# Altium PCB RTD_12POS_WPSv2.PcbDoc (part 1 of 2) (continued)
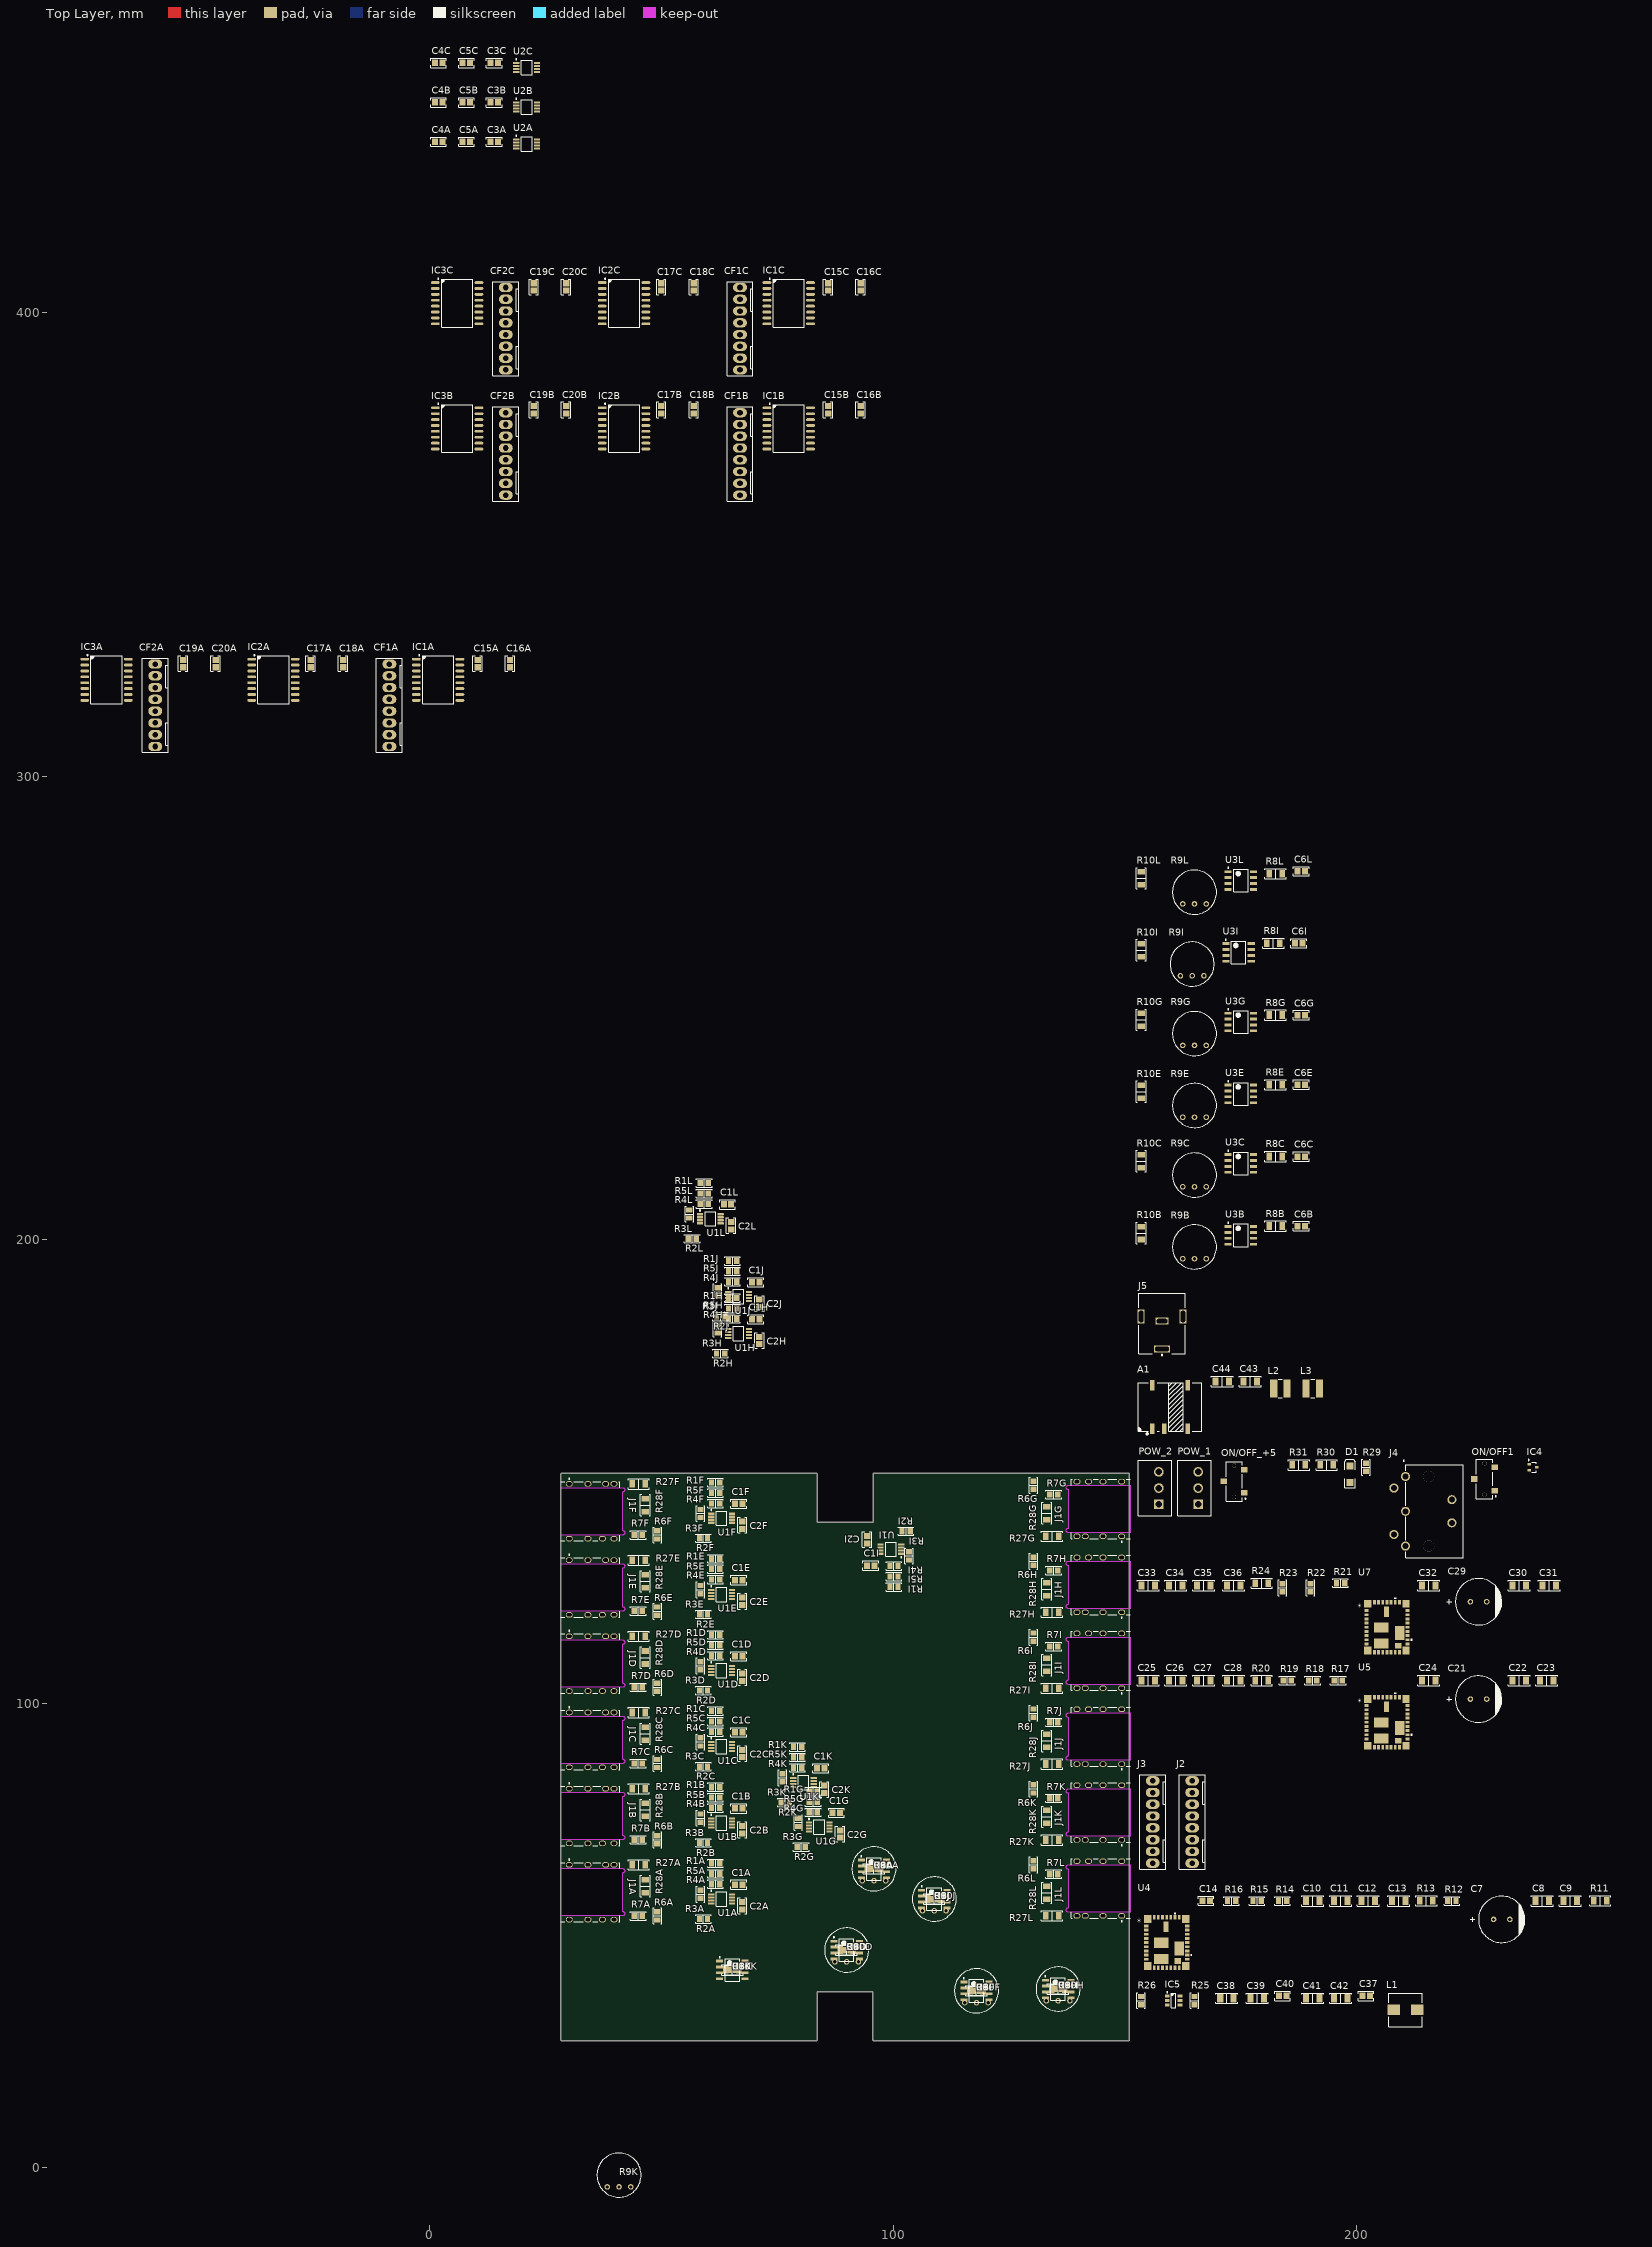
[diagram p0: Top Layer view]
## Classes and differential pairs (continued)
component class U_ComparisonSchG: C6G R8G R9G R10G U3G
component class U_ComparisonSchF: C6F R8F R9F R10F U3F
component class U_ComparisonSchE: C6E R8E R9E R10E U3E
component class U_ComparisonSchD: C6D R8D R9D R10D U3D
component class U_ComparisonSchC: C6C R8C R9C R10C U3C
component class U_ComparisonSchB: C6B R8B R9B R10B U3B
component class U_ComparisonSchA: C6A R8A R9A R10A U3A
component class U_12VSupply: C7 C8 C9 C10 C11 C12 C13 C14 R11 R12 R13 R14 R15 R16 U4
component class U_5VSupply: C37 C38 C39 C40 C41 C42 IC5 L1 R25 R26

## Components (designator, comment, footprint, x,y, rotation, side; value= is the part's Value field where it differs from the comment)
A1 "NXJ1S0505MC-R7" "MURATA NXJ1" 161,164 r0 top
C1A "0.1uF" "CAP 0805/2012" 66.725,61 r0 top (schematic designator C1)
C1B "0.1uF" "CAP 0805/2012" 66.725,77.42 r0 top (schematic designator C1)
C1C "0.1uF" "CAP 0805/2012" 66.725,93.84 r0 top (schematic designator C1)
C1D "0.1uF" "CAP 0805/2012" 66.725,110.26 r0 top (schematic designator C1)
C1E "0.1uF" "CAP 0805/2012" 66.725,126.68 r0 top (schematic designator C1)
C1F "0.1uF" "CAP 0805/2012" 66.725,143.1 r0 top (schematic designator C1)
C1G "0.1uF" "CAP 0805/2012" 87.785,76.485 r0 top (schematic designator C1)
C1H "0.1uF" "CAP 0805/2012" 70.4,182.899 r0 top (schematic designator C1)
C1I "0.1uF" "CAP 0805/2012" 95.2,129.8 r180 top (schematic designator C1)
C1J "0.1uF" "CAP 0805/2012" 70.4,190.899 r0 top (schematic designator C1)
C1K "0.1uF" "CAP 0805/2012" 84.4,86.1 r0 top (schematic designator C1)
C1L "0.1uF" "CAP 0805/2012" 64.3,207.675 r0 top (schematic designator C1)
C2A "0.1uF" "CAP 0805/2012" 67.5,56.425 r270 top (schematic designator C2)
C2B "0.1uF" "CAP 0805/2012" 67.5,72.845 r270 top (schematic designator C2)
C2C "0.1uF" "CAP 0805/2012" 67.5,89.265 r270 top (schematic designator C2)
C2D "0.1uF" "CAP 0805/2012" 67.5,105.685 r270 top (schematic designator C2)
C2E "0.1uF" "CAP 0805/2012" 67.5,122.105 r270 top (schematic designator C2)
C2F "0.1uF" "CAP 0805/2012" 67.5,138.525 r270 top (schematic designator C2)
C2G "0.1uF" "CAP 0805/2012" 88.56,71.91 r270 top (schematic designator C2)
C2H "0.1uF" "CAP 0805/2012" 71.175,178.324 r270 top (schematic designator C2)
C2I "0.1uF" "CAP 0805/2012" 94.4,135.4 r90 top (schematic designator C2)
C2J "0.1uF" "CAP 0805/2012" 71.175,186.324 r270 top (schematic designator C2)
C2K "0.1uF" "CAP 0805/2012" 85.175,81.525 r270 top (schematic designator C2)
C2L "0.1uF" "CAP 0805/2012" 65.075,203.1 r270 top (schematic designator C2)
C3A "1uF" "CAP 0805/2012" 14,436.8 r0 top (schematic designator C3)
C3B "1uF" "CAP 0805/2012" 14,445.3 r0 top (schematic designator C3)
C3C "1uF" "CAP 0805/2012" 14,453.8 r0 top (schematic designator C3)
C4A "1uF" "CAP 0805/2012" 2,436.8 r0 top (schematic designator C4)
C4B "1uF" "CAP 0805/2012" 2,445.3 r0 top (schematic designator C4)
C4C "1uF" "CAP 0805/2012" 2,453.8 r0 top (schematic designator C4)
C5A "1uF" "CAP 0805/2012" 8,436.8 r0 top (schematic designator C5)
C5B "1uF" "CAP 0805/2012" 8,445.3 r0 top (schematic designator C5)
C5C "1uF" "CAP 0805/2012" 8,453.8 r0 top (schematic designator C5)
C6A "0.1uF" "CAP 0805/2012" 95.89,64.39 r0 top (schematic designator C6)
C6B "0.1uF" "CAP 0805/2012" 188,203 r0 top (schematic designator C6)
C6C "0.1uF" "CAP 0805/2012" 188,218 r0 top (schematic designator C6)
C6D "0.1uF" "CAP 0805/2012" 89.99,46.89 r0 top (schematic designator C6)
C6E "0.1uF" "CAP 0805/2012" 188,233.5 r0 top (schematic designator C6)
C6F "0.1uF" "CAP 0805/2012" 117.99,38.09 r0 top (schematic designator C6)
C6G "0.1uF" "CAP 0805/2012" 188,248.5 r0 top (schematic designator C6)
C6H "0.1uF" "CAP 0805/2012" 135.59,38.49 r0 top (schematic designator C6)
C6I "0.1uF" "CAP 0805/2012" 187.5,263.999 r0 top (schematic designator C6)
C6J "0.1uF" "CAP 0805/2012" 108.89,57.89 r0 top (schematic designator C6)
C6K "0.1uF" "CAP 0805/2012" 65.36,42.605 r0 top (schematic designator C6)
C6L "0.1uF" "CAP 0805/2012" 188,279.499 r0 top (schematic designator C6)
C7 "22uF" "CAP AL TH D8 L3.5 H11.5" 229.5,53.5 r0 top
C8 "4.7uF" "CAP 1206/3216 - 1.0MM" 240,57.5 r0 top
C9 "4.7uF" "CAP 1206/3216 - 1.0MM" 246,57.5 r0 top
C10 "22uF" "CAP 1206/3216" 190.5,57.5 r0 top
C11 "22uF" "CAP 1206/3216" 196.5,57.5 r0 top
C12 "22uF" "CAP 1206/3216" 202.5,57.5 r0 top
C13 "22uF" "CAP 1206/3216" 209,57.5 r0 top
C14 "0.022uF" "CAP 0805/2012" 167.5,57.5 r0 top
C15A "0.1uF" "CAP 0805/2012" 10.4,324.3 r90 top (schematic designator C15)
C15B "0.1uF" "CAP 0805/2012" 86,378.999 r90 top (schematic designator C15)
C15C "0.1uF" "CAP 0805/2012" 86,405.499 r90 top (schematic designator C15)
C16A "0.1uF" "CAP 0805/2012" 17.4,324.3 r90 top (schematic designator C16)
C16B "0.1uF" "CAP 0805/2012" 93,378.999 r90 top (schematic designator C16)
C16C "0.1uF" "CAP 0805/2012" 93,405.499 r90 top (schematic designator C16)
C17A "0.1uF" "CAP 0805/2012" -25.6,324.3 r90 top (schematic designator C17)
C17B "0.1uF" "CAP 0805/2012" 50,378.999 r90 top (schematic designator C17)
C17C "0.1uF" "CAP 0805/2012" 50,405.499 r90 top (schematic designator C17)
C18A "0.1uF" "CAP 0805/2012" -18.6,324.3 r90 top (schematic designator C18)
C18B "0.1uF" "CAP 0805/2012" 57,378.999 r90 top (schematic designator C18)
C18C "0.1uF" "CAP 0805/2012" 57,405.499 r90 top (schematic designator C18)
C19A "0.1uF" "CAP 0805/2012" -53.1,324.3 r90 top (schematic designator C19)
C19B "0.1uF" "CAP 0805/2012" 22.5,378.999 r90 top (schematic designator C19)
C19C "0.1uF" "CAP 0805/2012" 22.5,405.499 r90 top (schematic designator C19)
C20A "0.1uF" "CAP 0805/2012" -46.1,324.3 r90 top (schematic designator C20)
C20B "0.1uF" "CAP 0805/2012" 29.5,378.999 r90 top (schematic designator C20)
C20C "0.1uF" "CAP 0805/2012" 29.5,405.499 r90 top (schematic designator C20)
C21 "22uF" "CAP AL TH D8 L3.5 H11.5" 224.5,101 r0 top
C22 "4.7uF" "CAP 1206/3216 - 1.0MM" 235,105 r0 top
C23 "4.7uF" "CAP 1206/3216 - 1.0MM" 241,105 r0 top
C24 "2.2uF" "CAP 1206/3216" 215.5,105 r0 top
C25 "22uF" "CAP 1206/3216" 155,105 r0 top
C26 "22uF" "CAP 1206/3216" 161,105 r0 top
C27 "22uF" "CAP 1206/3216" 167,105 r0 top
C28 "22uF" "CAP 1206/3216" 173.5,105 r0 top
C29 "22uF" "CAP AL TH D8 L3.5 H11.5" 224.5,122 r0 top
C30 "4.7uF" "CAP 1206/3216 - 1.0MM" 235,125.5 r0 top
C31 "4.7uF" "CAP 1206/3216 - 1.0MM" 241.5,125.5 r0 top
C32 "2.2uF" "CAP 1206/3216" 215.5,125.5 r0 top
C33 "22uF" "CAP 1206/3216" 155,125.5 r0 top
C34 "22uF" "CAP 1206/3216" 161,125.5 r0 top
C35 "22uF" "CAP 1206/3216" 167,125.5 r0 top
C36 "22uF" "CAP 1206/3216" 173.5,125.5 r0 top
C37 "0.1uF" "CAP 0805/2012" 202,37 r0 top
C38 "10uF" "CAP 1206/3216" 172,36.5 r0 top
C39 "10uF" "CAP 1206/3216" 178.5,36.5 r0 top
C40 "0.1uF" "CAP 0805/2012" 184,37 r0 top
C41 "22uF" "CAP 1206/3216" 190.5,36.5 r0 top
C42 "22uF" "CAP 1206/3216" 196.5,36.5 r0 top
C43 "2.2uF" "CAP 1206/3216" 177,169.5 r0 top
C44 "4.7uF" "CAP 1206/3216 - 1.8MM" 171,169.5 r0 top
CF1A "22272081" "MOLEX KK 0022272081" -8.6,315.3 r90 top (schematic designator CF1)
CF1B "22272081" "MOLEX KK 0022272081" 67,369.499 r90 top (schematic designator CF1)
CF1C "22272081" "MOLEX KK 0022272081" 67,396.499 r90 top (schematic designator CF1)
CF2A "22272081" "MOLEX KK 0022272081" -59.1,315.3 r90 top (schematic designator CF2)
CF2B "22272081" "MOLEX KK 0022272081" 16.5,369.499 r90 top (schematic designator CF2)
CF2C "22272081" "MOLEX KK 0022272081" 16.5,396.499 r90 top (schematic designator CF2)
D1 "LED2" 3.2X1.6X1.1 198.5,149.5 r90 top
IC1A "SI8640BD-B-IS" "SI LABS SOIC-16 WIDE" 1.9,320.8 r0 top (schematic designator IC1)
IC1B "SI8640BD-B-IS" "SI LABS SOIC-16 WIDE" 77.5,374.999 r0 top (schematic designator IC1)
IC1C "SI8640BD-B-IS" "SI LABS SOIC-16 WIDE" 77.5,401.999 r0 top (schematic designator IC1)
IC2A "SI8640BD-B-IS" "SI LABS SOIC-16 WIDE" -33.6,320.8 r0 top (schematic designator IC2)
IC2B "SI8640BD-B-IS" "SI LABS SOIC-16 WIDE" 42,374.999 r0 top (schematic designator IC2)
IC2C "SI8640BD-B-IS" "SI LABS SOIC-16 WIDE" 42,401.999 r0 top (schematic designator IC2)
IC3A "SI8640BD-B-IS" "SI LABS SOIC-16 WIDE" -69.6,320.8 r0 top (schematic designator IC3)
IC3B "SI8640BD-B-IS" "SI LABS SOIC-16 WIDE" 6,374.999 r0 top (schematic designator IC3)
IC3C "SI8640BD-B-IS" "SI LABS SOIC-16 WIDE" 6,401.999 r0 top (schematic designator IC3)
IC4 "BSS138WH6327XTSA1" "INFINEON SOT-323-3" 238,151 r0 top
IC5 "TPS563201DDCT" "TI SOT-23-6 DDC" 160.5,36 r0 top
J1A "SJ-3506-SMT-TR" CUI-SJ-3506-SMT-TR_V 35,59.36 r0 top (schematic designator J1)
J1B "SJ-3506-SMT-TR" CUI-SJ-3506-SMT-TR_V 35,75.788 r0 top (schematic designator J1)
J1C "SJ-3506-SMT-TR" CUI-SJ-3506-SMT-TR_V 35,92.216 r0 top (schematic designator J1)
J1D "SJ-3506-SMT-TR" CUI-SJ-3506-SMT-TR_V 35,108.644 r0 top (schematic designator J1)
J1E "SJ-3506-SMT-TR" CUI-SJ-3506-SMT-TR_V 35,125.072 r0 top (schematic designator J1)
J1F "SJ-3506-SMT-TR" CUI-SJ-3506-SMT-TR_V 35,141.5 r0 top (schematic designator J1)
J1G "SJ-3506-SMT-TR" CUI-SJ-3506-SMT-TR_V 144.475,142 r180 top
J1H "SJ-3506-SMT-TR" CUI-SJ-3506-SMT-TR_V 144.475,125.632 r180 top (schematic designator J1)
J1I "SJ-3506-SMT-TR" CUI-SJ-3506-SMT-TR_V 144.475,109.264 r180 top
J1J "SJ-3506-SMT-TR" CUI-SJ-3506-SMT-TR_V 144.475,92.896 r180 top (schematic designator J1)
J1K "SJ-3506-SMT-TR" CUI-SJ-3506-SMT-TR_V 144.475,76.528 r180 top
J1L "SJ-3506-SMT-TR" CUI-SJ-3506-SMT-TR_V 144.475,60.16 r180 top (schematic designator J1)
J2 "22272081" "MOLEX KK 0022272081" 164.5,74.5 r90 top
J3 "22272081" "MOLEX KK 0022272081" 156,74.5 r90 top
J4 "SDS-50J" "CUI SDS-50J" 210.5,141.5 r90 top
J5 "PJ-063AH" CUI-PJ-063AH_V 158,182.5 r90 top
L1 "3.3uH" "WURTH WE-HCI 7050" 210.5,34 r0 top
L2 "VLCF4024T-4R7N1R4-2" "TDK VLCF4024-2" 183.5,168 r0 top value=4.7uH
L3 "VLCF4024T-100MR90-2" "TDK VLCF4024-2" 190.5,168 r0 top value=10uH
ON/OFF1 "CL-SB-12B-01T" SW_CL-SB-12B-01 228,148.5 r90 top
ON/OFF_+5 "CL-SB-12B-01T" SW_CL-SB-12B-01 174,148 r90 top
POW_1 "691321100003" 691321100003 165,146.5 r90 top
POW_2 "691321100003" 691321100003 156.5,146.5 r90 top
R1A "4.99k" "RES 0805/2012" 61.725,65.6 r180 top (schematic designator R1)
R1B "4.99k" "RES 0805/2012" 61.725,82.02 r180 top (schematic designator R1)
R1C "4.99k" "RES 0805/2012" 61.725,98.44 r180 top (schematic designator R1)
R1D "4.99k" "RES 0805/2012" 61.725,114.86 r180 top (schematic designator R1)
R1E "4.99k" "RES 0805/2012" 61.725,131.28 r180 top (schematic designator R1)
R1F "4.99k" "RES 0805/2012" 61.725,147.7 r180 top (schematic designator R1)
R1G "4.99k" "RES 0805/2012" 82.785,81.085 r180 top (schematic designator R1)
R1H "4.99k" "RES 0805/2012" 65.4,187.499 r180 top (schematic designator R1)
R1I "4.99k" "RES 0805/2012" 100.2,125.2 r0 top (schematic designator R1)
R1J "4.99k" "RES 0805/2012" 65.4,195.499 r180 top (schematic designator R1)
R1K "4.99k" "RES 0805/2012" 79.4,90.7 r180 top (schematic designator R1)
R1L "4.99k" "RES 0805/2012" 59.3,212.275 r180 top (schematic designator R1)
R2A "4.99k" "RES 0805/2012" 59.125,53.6 r0 top (schematic designator R2)
R2B "4.99k" "RES 0805/2012" 59.125,70.02 r0 top (schematic designator R2)
R2C "4.99k" "RES 0805/2012" 59.125,86.44 r0 top (schematic designator R2)
R2D "4.99k" "RES 0805/2012" 59.125,102.86 r0 top (schematic designator R2)
R2E "4.99k" "RES 0805/2012" 59.125,119.28 r0 top (schematic designator R2)
R2F "4.99k" "RES 0805/2012" 59.125,135.7 r0 top (schematic designator R2)
R2G "4.99k" "RES 0805/2012" 80.185,69.085 r0 top (schematic designator R2)
R2H "4.99k" "RES 0805/2012" 62.8,175.499 r0 top (schematic designator R2)
R2I "4.99k" "RES 0805/2012" 102.8,137.2 r180 top (schematic designator R2)
R2J "4.99k" "RES 0805/2012" 62.8,183.499 r0 top (schematic designator R2)
R2K "4.99k" "RES 0805/2012" 76.8,78.7 r0 top (schematic designator R2)
R2L "4.99k" "RES 0805/2012" 56.7,200.275 r0 top (schematic designator R2)
R3A "118" "RES 0805/2012" 58.5,58.925 r90 top (schematic designator R3)
R3B "118" "RES 0805/2012" 58.5,75.345 r90 top (schematic designator R3)
R3C "118" "RES 0805/2012" 58.5,91.765 r90 top (schematic designator R3)
R3D "118" "RES 0805/2012" 58.5,108.185 r90 top (schematic designator R3)
R3E "118" "RES 0805/2012" 58.5,124.605 r90 top (schematic designator R3)
R3F "118" "RES 0805/2012" 58.5,141.025 r90 top (schematic designator R3)
R3G "118" "RES 0805/2012" 79.56,74.41 r90 top (schematic designator R3)
R3H "118" "RES 0805/2012" 62.175,180.824 r90 top (schematic designator R3)
R3I "118" "RES 0805/2012" 103.425,131.875 r270 top (schematic designator R3)
R3J "118" "RES 0805/2012" 62.175,188.824 r90 top (schematic designator R3)
R3K "118" "RES 0805/2012" 76.175,84.025 r90 top (schematic designator R3)
R3L "118" "RES 0805/2012" 56.075,205.6 r90 top (schematic designator R3)
R4A "107" "RES 0805/2012" 61.725,61.1 r0 top (schematic designator R4)
R4B "107" "RES 0805/2012" 61.725,77.52 r0 top (schematic designator R4)
R4C "107" "RES 0805/2012" 61.725,93.94 r0 top (schematic designator R4)
R4D "107" "RES 0805/2012" 61.725,110.36 r0 top (schematic designator R4)
R4E "107" "RES 0805/2012" 61.725,126.78 r0 top (schematic designator R4)
R4F "107" "RES 0805/2012" 61.725,143.2 r0 top (schematic designator R4)
R4G "107" "RES 0805/2012" 82.785,76.585 r0 top (schematic designator R4)
R4H "107" "RES 0805/2012" 65.4,182.999 r0 top (schematic designator R4)
R4I "107" "RES 0805/2012" 100.2,129.7 r180 top (schematic designator R4)
R4J "107" "RES 0805/2012" 65.4,190.999 r0 top (schematic designator R4)
R4K "107" "RES 0805/2012" 79.4,86.2 r0 top (schematic designator R4)
R4L "107" "RES 0805/2012" 59.3,207.775 r0 top (schematic designator R4)
R5A "10.2k" "RES 0805/2012" 61.725,63.35 r0 top (schematic designator R5)
R5B "10.2k" "RES 0805/2012" 61.725,79.77 r0 top (schematic designator R5)
R5C "10.2k" "RES 0805/2012" 61.725,96.19 r0 top (schematic designator R5)
R5D "10.2k" "RES 0805/2012" 61.725,112.61 r0 top (schematic designator R5)
R5E "10.2k" "RES 0805/2012" 61.725,129.03 r0 top (schematic designator R5)
R5F "10.2k" "RES 0805/2012" 61.725,145.45 r0 top (schematic designator R5)
R5G "10.2k" "RES 0805/2012" 82.785,78.835 r0 top (schematic designator R5)
R5H "10.2k" "RES 0805/2012" 65.4,185.249 r0 top (schematic designator R5)
R5I "10.2k" "RES 0805/2012" 100.2,127.45 r180 top (schematic designator R5)
R5J "10.2k" "RES 0805/2012" 65.4,193.249 r0 top (schematic designator R5)
R5K "10.2k" "RES 0805/2012" 79.4,88.45 r0 top (schematic designator R5)
R5L "10.2k" "RES 0805/2012" 59.3,210.025 r0 top (schematic designator R5)
R6A "15.8k" "RES 0805/2012" 49.175,54.26 r90 top (schematic designator R6)
R6B "15.8k" "RES 0805/2012" 49.175,70.688 r90 top (schematic designator R6)
R6C "15.8k" "RES 0805/2012" 49.175,87.116 r90 top (schematic designator R6)
R6D "15.8k" "RES 0805/2012" 49.175,103.544 r90 top (schematic designator R6)
R6E "15.8k" "RES 0805/2012" 49.175,119.972 r90 top (schematic designator R6)
R6F "15.8k" "RES 0805/2012" 49.175,136.4 r90 top (schematic designator R6)
R6G "15.8k" "RES 0805/2012" 130.3,147.1 r270 top
R6H "15.8k" "RES 0805/2012" 130.3,130.732 r270 top (schematic designator R6)
R6I "15.8k" "RES 0805/2012" 130.3,114.364 r270 top
R6J "15.8k" "RES 0805/2012" 130.3,97.996 r270 top (schematic designator R6)
R6K "15.8k" "RES 0805/2012" 130.3,81.628 r270 top
R6L "15.8k" "RES 0805/2012" 130.3,65.26 r270 top (schematic designator R6)
R7A "15.8k" "RES 0805/2012" 45.05,54.26 r180 top (schematic designator R7)
R7B "15.8k" "RES 0805/2012" 45.05,70.688 r180 top (schematic designator R7)
R7C "15.8k" "RES 0805/2012" 45.05,87.116 r180 top (schematic designator R7)
R7D "15.8k" "RES 0805/2012" 45.05,103.544 r180 top (schematic designator R7)
R7E "15.8k" "RES 0805/2012" 45.05,119.972 r180 top (schematic designator R7)
R7F "15.8k" "RES 0805/2012" 45.05,136.4 r180 top (schematic designator R7)
R7G "15.8k" "RES 0805/2012" 134.65,145.1 r0 top
R7H "15.8k" "RES 0805/2012" 134.65,128.732 r0 top (schematic designator R7)
R7I "15.8k" "RES 0805/2012" 134.65,112.364 r0 top
R7J "15.8k" "RES 0805/2012" 134.65,95.996 r0 top (schematic designator R7)
R7K "15.8k" "RES 0805/2012" 134.65,79.628 r0 top
R7L "15.8k" "RES 0805/2012" 134.65,63.26 r0 top (schematic designator R7)
R8A "1k" "RES 1206/3216" 95.89,64.39 r0 top (schematic designator R8)
R8B "1k" "RES 1206/3216" 182.5,203 r0 top (schematic designator R8)
R8C "1k" "RES 1206/3216" 182.5,218 r0 top (schematic designator R8)
R8D "1k" "RES 1206/3216" 89.99,46.89 r0 top (schematic designator R8)
R8E "1k" "RES 1206/3216" 182.5,233.5 r0 top (schematic designator R8)
R8F "1k" "RES 1206/3216" 117.99,38.09 r0 top (schematic designator R8)
R8G "1k" "RES 1206/3216" 182.5,248.5 r0 top (schematic designator R8)
R8H "1k" "RES 1206/3216" 135.59,38.49 r0 top (schematic designator R8)
R8I "1k" "RES 1206/3216" 182,263.999 r0 top (schematic designator R8)
R8J "1k" "RES 1206/3216" 108.89,57.89 r0 top (schematic designator R8)
R8K "1k" "RES 1206/3216" 65.36,42.605 r0 top (schematic designator R8)
R8L "1k" "RES 1206/3216" 182.5,278.999 r0 top (schematic designator R8)
R9A "20k" "POT MODEL91A" 95.89,64.39 r0 top (schematic designator R9)
R9B "20k" "POT MODEL91A" 165,198.5 r0 top (schematic designator R9)
R9C "20k" "POT MODEL91A" 165,214 r0 top (schematic designator R9)
R9D "20k" "POT MODEL91A" 89.99,46.89 r0 top (schematic designator R9)
R9E "20k" "POT MODEL91A" 165,229 r0 top (schematic designator R9)
R9F "20k" "POT MODEL91A" 117.99,38.09 r0 top (schematic designator R9)
R9G "20k" "POT MODEL91A" 165,244.5 r0 top (schematic designator R9)
R9H "20k" "POT MODEL91A" 135.59,38.49 r0 top (schematic designator R9)
R9I "20k" "POT MODEL91A" 164.5,259.499 r0 top (schematic designator R9)
R9J "20k" "POT MODEL91A" 108.89,57.89 r0 top (schematic designator R9)
R9K "20k" "POT MODEL91A" 40.91,-1.642 r0 top (schematic designator R9)
R9L "20k" "POT MODEL91A" 165,274.999 r0 top (schematic designator R9)
R10A "510k" "RES 1206/3216" 95.89,64.39 r0 top (schematic designator R10)
R10B "510k" "RES 1206/3216" 153.5,201.5 r90 top (schematic designator R10)
R10C "510k" "RES 1206/3216" 153.5,217 r90 top (schematic designator R10)
R10D "510k" "RES 1206/3216" 89.99,46.89 r0 top (schematic designator R10)
R10E "510k" "RES 1206/3216" 153.5,232 r90 top (schematic designator R10)
R10F "510k" "RES 1206/3216" 117.99,38.09 r0 top (schematic designator R10)
R10G "510k" "RES 1206/3216" 153.5,247.5 r90 top (schematic designator R10)
R10H "510k" "RES 1206/3216" 135.59,38.49 r0 top (schematic designator R10)
R10I "510k" "RES 1206/3216" 153.5,262.499 r90 top (schematic designator R10)
R10J "510k" "RES 1206/3216" 108.89,57.89 r0 top (schematic designator R10)
R10K "510k" "RES 1206/3216" 65.36,42.605 r0 top (schematic designator R10)
R10L "510k" "RES 1206/3216" 153.5,277.999 r90 top (schematic designator R10)
R11 "0.0" "RES 1206/3216" 252.499,57.5 r0 top
R12 "174k" "RES 0805/2012" 220.5,57.5 r0 top
R13 "267k" "RES 1206/3216" 215,57.5 r0 top
R14 "15.8k" "RES 0805/2012" 184,57.5 r0 top
R15 "15.8k" "RES 0805/2012" 178.5,57.5 r0 top
R16 "140k" "RES 0805/2012" 173,57.5 r0 top
R17 "174k" "RES 0805/2012" 196,105 r0 top
R18 "24.3k" "RES 0805/2012" 190.5,105 r0 top
R19 "52.3k" "RES 0805/2012" 185,105 r0 top
R20 "0.0" "RES 1206/3216" 179.5,105 r0 top
R21 "174k" "RES 0805/2012" 196.5,126 r0 top
R22 "24.3k" "RES 0805/2012" 190,125 r90 top
R23 "140k" "RES 0805/2012" 184,125 r90 top
R24 "0.0" "RES 1206/3216" 179.5,126 r0 top
R25 "54.9k" "RES 0805/2012" 165,36 r90 top
R26 "10k" "RES 0805/2012" 153.5,36 r90 top
R27A "0.0" "RES 1206/3216" 45.175,65.26 r180 top (schematic designator R27)
R27B "0.0" "RES 1206/3216" 45.175,81.688 r180 top (schematic designator R27)
R27C "0.0" "RES 1206/3216" 45.175,98.116 r180 top (schematic designator R27)
R27D "0.0" "RES 1206/3216" 45.175,114.544 r180 top (schematic designator R27)
R27E "0.0" "RES 1206/3216" 45.175,130.972 r180 top (schematic designator R27)
R27F "0.0" "RES 1206/3216" 45.175,147.4 r180 top (schematic designator R27)
R27G "0.0" "RES 1206/3216" 134.3,136.1 r0 top
R27H "0.0" "RES 1206/3216" 134.3,119.732 r0 top (schematic designator R27)
R27I "0.0" "RES 1206/3216" 134.3,103.364 r0 top
R27J "0.0" "RES 1206/3216" 134.3,86.996 r0 top (schematic designator R27)
R27K "0.0" "RES 1206/3216" 134.3,70.628 r0 top
R27L "0.0" "RES 1206/3216" 134.3,54.26 r0 top (schematic designator R27)
R28A "0.0" "RES 1206/3216" 46.575,60.685 r90 top (schematic designator R28)
R28B "0.0" "RES 1206/3216" 46.575,77.113 r90 top (schematic designator R28)
R28C "0.0" "RES 1206/3216" 46.575,93.541 r90 top (schematic designator R28)
R28D "0.0" "RES 1206/3216" 46.575,109.969 r90 top (schematic designator R28)
R28E "0.0" "RES 1206/3216" 46.575,126.397 r90 top (schematic designator R28)
R28F "0.0" "RES 1206/3216" 46.575,142.825 r90 top (schematic designator R28)
R28G "0.0" "RES 1206/3216" 133.15,141.1 r270 top
R28H "0.0" "RES 1206/3216" 133.15,124.732 r270 top (schematic designator R28)
R28I "0.0" "RES 1206/3216" 133.15,108.364 r270 top
R28J "0.0" "RES 1206/3216" 133.15,91.996 r270 top (schematic designator R28)
R28K "0.0" "RES 1206/3216" 133.15,75.628 r270 top
R28L "0.0" "RES 1206/3216" 133.15,59.26 r270 top (schematic designator R28)
R29 "10k" "RES 0805/2012" 202,151 r90 top
R30 "1k" "RES 1206/3216" 193.5,151.5 r0 top
R31 "0.0" "RES 1206/3216" 187.5,151.5 r0 top
U1A "INA826AIDGKR" DGK0008A_N 63.025,57.9 r0 top (schematic designator U1)
U1B "INA826AIDGKR" DGK0008A_N 63.025,74.32 r0 top (schematic designator U1)
U1C "INA826AIDGKR" DGK0008A_N 63.025,90.74 r0 top (schematic designator U1)
U1D "INA826AIDGKR" DGK0008A_N 63.025,107.16 r0 top (schematic designator U1)
U1E "INA826AIDGKR" DGK0008A_N 63.025,123.58 r0 top (schematic designator U1)
U1F "INA826AIDGKR" DGK0008A_N 63.025,140 r0 top (schematic designator U1)
U1G "INA826AIDGKR" DGK0008A_N 84.085,73.385 r0 top (schematic designator U1)
U1H "INA826AIDGKR" DGK0008A_N 66.7,179.799 r0 top (schematic designator U1)
U1I "INA826AIDGKR" DGK0008A_N 99.525,133.325 r180 top (schematic designator U1)
U1J "INA826AIDGKR" DGK0008A_N 66.7,187.799 r0 top (schematic designator U1)
U1K "INA826AIDGKR" DGK0008A_N 80.7,83 r0 top (schematic designator U1)
U1L "INA826AIDGKR" DGK0008A_N 60.6,204.575 r0 top (schematic designator U1)
U2A "REF5050IDGKT" DGK0008A_N 21,436.3 r0 top (schematic designator U2)
U2B "REF5050IDGKT" DGK0008A_N 21,444.3 r0 top (schematic designator U2)
U2C "REF5050IDGKT" DGK0008A_N 21,452.8 r0 top (schematic designator U2)
U3A "LM311DR2G" ONSC-SOIC-8-751-07_V 95.89,64.39 r0 top (schematic designator U3)
U3B "LM311DR2G" ONSC-SOIC-8-751-07_V 175,201 r0 top (schematic designator U3)
U3C "LM311DR2G" ONSC-SOIC-8-751-07_V 175,216.5 r0 top (schematic designator U3)
U3D "LM311DR2G" ONSC-SOIC-8-751-07_V 89.99,46.89 r0 top (schematic designator U3)
U3E "LM311DR2G" ONSC-SOIC-8-751-07_V 175,231.5 r0 top (schematic designator U3)
U3F "LM311DR2G" ONSC-SOIC-8-751-07_V 117.99,38.09 r0 top (schematic designator U3)
U3G "LM311DR2G" ONSC-SOIC-8-751-07_V 175,247 r0 top (schematic designator U3)
U3H "LM311DR2G" ONSC-SOIC-8-751-07_V 135.59,38.49 r0 top (schematic designator U3)
U3I "LM311DR2G" ONSC-SOIC-8-751-07_V 174.5,261.999 r0 top (schematic designator U3)
U3J "LM311DR2G" ONSC-SOIC-8-751-07_V 108.89,57.89 r0 top (schematic designator U3)
U3K "LM311DR2G" ONSC-SOIC-8-751-07_V 65.36,42.605 r0 top (schematic designator U3)
U3L "LM311DR2G" ONSC-SOIC-8-751-07_V 175,277.499 r0 top (schematic designator U3)
U4 "LMZ34003" RKG41 159,48.5 r0 top value=Value
U5 "LMZ34002RKGT" RKG41 206.5,96 r0 top value=Value
U7 "LMZ34002RKGT" RKG41 206.5,116.5 r0 top value=Value

## Footprints (in the part's own frame and the unit in brackets; to place one, negate y for a bottom-side part, rotate by r counter-clockwise, add the part's x,y. Pads: shape width x height; smd on the part's side, far side on the other; paste and mask are expansions set on the pad)
3.2X1.6X1.1 [mm] "SMT LED; 2 Flat Leads"
  rect 1.5x1.5 smd: 1(-1.75,0) 2(1.75,0)
  silkscreen extent -2.9,-1.15 3.2,1.15
691321100003 [mm] "Vertical PCB Header, pitch 3.5mm, 03p"
  rect 2.1x2.1 hole 1.4: 1(-3.5,-0.8)
  round 2.1 hole 1.4: 2(0,-0.8) 3(3.5,-0.8)
  silkscreen extent -5.95,-3.6 5.95,3.6, body extent -5.95,-3.6 5.95,3.6, height 9.3
"CAP 0805/2012" [mm] "Chip Capacitor, 2-Leads, Body 2.00x1.20mm, IPC Medium Density"
  rect 1.3x1.4 smd: 1(-0.8,0) 2(0.8,0)
  silkscreen extent -1.7,-1 1.7,1, body extent -1,-0.64 1,0.64, height 1.26
"CAP 1206/3216" [mm] "Chip Capacitor, 2-Leads, Body 3.25x1.60mm, IPC Medium Density"
  rect 1.3x1.8 smd: 1(-1.45,0) 2(1.45,0)
  silkscreen extent -2.37,-1.12 2.37,1.12, body extent -1.6,-0.81 1.6,0.81, height 1.62
"CAP 1206/3216 - 1.0MM" [mm] "Chip Capacitor, 2-Leads, Body 3.25x1.60mm, IPC Medium Density"
  rect 1.3x1.8 smd: 1(-1.45,0) 2(1.45,0)
  silkscreen extent -2.37,-1.12 2.37,1.12, body extent -1.6,-0.8 1.6,0.8, height 1
"CAP 1206/3216 - 1.8MM" [mm] "Chip Capacitor, 2-Leads, Body 3.25x1.60mm, IPC Medium Density"
  rect 1.3x1.8 smd: 1(-1.45,0) 2(1.45,0)
  silkscreen extent -2.37,-1.12 2.37,1.12, body extent -1.6,-0.8 1.6,0.8, height 1.8
"CAP AL TH D8 L3.5 H11.5" [mm]
  round 1.2 hole 0.7: 1(0,0) 2(3.5,0)
  silkscreen extent -5.06,-5 6.75,5
"CUI SDS-50J" [mm]
  round 1.95 hole 1.3: 1(7.5,0) 2(0,0) 3(-7.5,0) 4(5,2.5) 5(-5,2.5) S1(-2.5,-10) S2(2.5,-10)
  round 2.4 hole 2.4 unplated: None(-7.5,-5) None(7.5,-5)
  silkscreen extent -10,-12.5 11,0.5, body extent -10,-12.5 10,3, height 21.2
CUI-PJ-063AH_V [mm] "THD, 2-Leads, Body 13x10mm, Height 9mm"
  rect 1.5x3.5 hole 1 slot 3 at 90 deg: 1(-6,0)
  rect 1.5x2.8 hole 1 slot 2.3 at 90 deg: 2(0,0)
  rect 3x1.5 hole 1 slot 2.5 at 0 deg: 3(1,4.5) 4(1,-4.5)
  round 1.4 hole 1.7 unplated: 5(3,0)
  silkscreen extent -7.42,-5 6,5, body extent -7,-5.15 6,5.15, height 9
CUI-SJ-3506-SMT-TR_V [mm] "Jack, 6-Leads, Body 15.4x12.8mm"
  oval 1.5x1.2 hole 0.7 slot 1 at 0 deg unplated paste-1: 1(-4.825,5.9) 2(3.025,5.9) 3(4.825,-5.9) 4(2.325,-5.9) 5(-4.825,-5.9) 6(4.825,5.9) 7(-0.795,5.9) 8(-0.795,-5.9)
  Keep-Out Layer board cut-out: -6.675,5.125 6.625,5.125 6.671,5.123 6.716,5.117 6.76,5.106 6.803,5.092 6.846,5.074 6.886,5.052 6.924,5.026 6.959,4.997 6.98,4.977 6.999,4.957 7.034,4.913 7.062,4.867 7.085,4.821 7.103,4.773 7.115,4.724 7.123,4.675 7.125,4.625 7.123,4.581 7.117,4.537 7.107,4.493 7.094,4.45 7.076,4.408 7.054,4.369 7.042,4.349 7.029,4.33 7.001,4.295 6.983,4.276 6.964,4.258 6.944,4.24 6.923,4.224 6.902,4.209 6.88,4.195 6.833,4.17 6.808,4.16 6.783,4.15 6.757,4.143 6.731,4.136 6.705,4.131 6.678,4.128 6.652,4.126 6.625,4.125 6.625,-4.125 6.65,-4.126 6.674,-4.127 6.723,-4.135 6.772,-4.147 6.817,-4.163 6.863,-4.185 6.907,-4.212 6.947,-4.242 6.983,-4.275 7.017,-4.314 7.046,-4.355 7.071,-4.398 7.081,-4.421 7.091,-4.443 7.099,-4.465 7.106,-4.488 7.117,-4.534 7.123,-4.581 7.125,-4.625 7.123,-4.671 7.117,-4.717 7.106,-4.762 7.092,-4.805 7.072,-4.849 7.06,-4.871 7.047,-4.892 7.034,-4.912 7.02,-4.932 6.989,-4.968 6.971,-4.986 6.952,-5.004 6.933,-5.019 6.912,-5.035 6.891,-5.049 6.869,-5.061 6.847,-5.073 6.824,-5.084 6.801,-5.093 6.777,-5.101 6.752,-5.109 6.727,-5.115 6.702,-5.119 6.677,-5.122 6.651,-5.124 6.625,-5.125 -6.675,-5.125
  silkscreen extent -6.67,-6.4 6.03,7.17, body extent -9.37,-6.4 6.03,6.4, height 3.26
DGK0008A_N [mm] "TSOP, 8-Leads, Body 3.1x3.1mm, Pitch 0.65mm, IPC Medium Density"
  rrect22% 1.35x0.45 smd: 1(-2.225,0.975) 2(-2.225,0.325) 3(-2.225,-0.325) 4(-2.225,-0.975) 5(2.225,-0.975) 6(2.225,-0.325) 7(2.225,0.325) 8(2.225,0.975)
  silkscreen extent -2.35,-1.55 1.15,1.9, body extent -2.45,-1.5 2.45,1.5, height 0.94
"INFINEON SOT-323-3" [mm] "SOT323, 3-Leads, Body 2.00x2.10mm, Pitch 0.65mm, IPC Medium Density"
  rect 0.8x0.6 smd: 1(-0.8,0.65) 2(0.8,0) 3(-0.8,-0.65)
  silkscreen extent -1.07,-1.1 0.67,1.67, body extent -1.06,-1 1.06,1, height 1
"MOLEX KK 0022272081" [mm]
  oval 2x3 hole 1.2: 1(-8.89,0) 2(-6.35,0) 3(-3.81,0) 4(-1.27,0) 5(1.27,0) 6(3.81,0) 7(6.35,0) 8(8.89,0)
  silkscreen extent -10.16,-2.79 10.16,2.79, body extent -10.16,-2.9 10.16,2.9, height 11.7
"MURATA NXJ1" [mm]
  rect 1x2.3 smd: 1(-5.08,-4.7) 3(-2.54,-4.7) 7(2.54,-4.7) 8(2.54,4.7) 14(-5.08,4.7)
  silkscreen extent -8.12,-5.9 5.6,5.21, body extent -8.13,-5.23 5.59,5.23, height 4.22
ONSC-SOIC-8-751-07_V [mm] "SOIC, 8-Leads, Body 4.9x3.9mm, Pitch 1.27mm"
  rect 1.52x0.6 smd: 1(-2.74,1.905) 2(-2.74,0.635) 3(-2.74,-0.635) 4(-2.74,-1.905) 5(2.74,-1.905) 6(2.74,-0.635) 7(2.74,0.635) 8(2.74,1.905)
  silkscreen extent -2.86,-2.45 1.58,2.88, body extent -1.95,-2.45 1.95,2.45, height 1.75
"POT MODEL91A" [mm]
  round 1.2 hole 0.7: 1(-2.54,-2.54) 2(0,-2.54) 3(2.54,-2.54)
  silkscreen extent -4.76,-4.76 4.76,4.76, body extent -4.68,-4.88 4.68,4.7, height 4.89
"RES 0805/2012" [mm] "Chip Resistor, 2-Leads, Body 2.00x1.25mm, IPC Medium Density"
  rect 1.15x1.35 smd: 1(-0.875,0) 2(0.875,0)
  silkscreen extent -1.7,-0.9 1.7,0.9, body extent -0.95,-0.62 1.05,0.63, height 0.6
"RES 1206/3216" [mm] "Chip Resistor, 2-Leads, Body 3.13x1.55mm, IPC Medium Density"
  rect 1.2x1.65 smd: 1(-1.4,0) 2(1.4,0)
  silkscreen extent -2.3,-1.1 2.3,1.1, body extent -1.57,-0.8 1.62,0.8, height 0.6
RKG41 [mm]
  rect 1.6x1.7 smd paste-0.837: 1(-4.1,5.05) 11(-4.1,-5.05) 19(4.1,-5.05) 29(4.1,5.05)
  rect 0.95x0.6 smd paste-0.3: 2(-4.42,3.6) 3(-4.42,2.7) 4(-4.42,1.8) 5(-4.42,0.9) 6(-4.42,0) 7(-4.42,-0.9) 8(-4.42,-1.8) 9(-4.42,-2.7) 10(-4.42,-3.6) 20(4.42,-3.6) 21(4.42,-2.7) 22(4.42,-1.8) 23(4.42,-0.9) 24(4.42,0) 25(4.42,0.9) 26(4.42,1.8) 27(4.42,2.7) 28(4.42,3.6)
  rect 0.6x0.95 smd paste-0.3: 12(-2.7,-5.425) 13(-1.8,-5.425) 14(-0.9,-5.425) 15(0,-5.425) 16(0.9,-5.425) 17(1.8,-5.425) 18(2.7,-5.425) 30(2.7,5.425) 31(1.8,5.425) 32(0.9,5.425) 33(0,5.425) 34(-0.9,5.425) 35(-1.8,5.425) 36(-2.7,5.425)
  rect 1.1x2.25 smd paste-1.112: 37(-0.135,3.375)
  rect 3.1x2.2 smd paste-1.537: 38(-1.195,-0.035) 39(-1.195,-3.515)
  rect 1.4x1.24 smd paste-0.687: 40(2.425,-3.985)
  rect 2.04x3.05 smd paste-1.512: 41(2.745,-1.245)
  silkscreen extent 1.61,-2.89 5.4,6.41, body extent 0,0 0.25,0.25, height 0.25
"SI LABS SOIC-16 WIDE" [mm] "SOIC, 16-Leads, Body 10.30x7.50mm, Pitch 1.27mm, IPC Medium Density"
  oval 1.9x0.6 smd: 1(-4.7,4.445) 2(-4.7,3.175) 3(-4.7,1.905) 4(-4.7,0.635) 5(-4.7,-0.635) 6(-4.7,-1.905) 7(-4.7,-3.175) 8(-4.7,-4.445) 9(4.7,-4.445) 10(4.7,-3.175) 11(4.7,-1.905) 12(4.7,-0.635) 13(4.7,0.635) 14(4.7,1.905) 15(4.7,3.175) 16(4.7,4.445)
  silkscreen extent -4.22,-5.15 3.35,5.42, body extent -5.16,-5.15 5.16,5.15, height 2.65
SW_CL-SB-12B-01 [mm]
  rect 1.2x1.4 smd: 1(-2.544,-1.743) 2(-0.044,2.657) 3(2.456,-1.743)
  round 0.9 hole 0.9 unplated: MH1(-3.444,0.457) MH2(3.356,0.457)
  silkscreen extent -4.29,-2.11 4.21,2.21, body extent -4.29,-1.29 4.21,2.21, height 5.5
"TDK VLCF4024-2" [mm] "Precision Wire Wound Inductor, 2-Leads, Body 4.00x4.00mm, IPC Medium Density"
  rect 1.6x3.9 smd: 1(-1.45,0) 2(1.45,0)
  silkscreen extent -0.4,-2 0.4,2, body extent -2.05,-2 2.05,2, height 2.4
"TI SOT-23-6 DDC" [mm] "SOT23, 6-Leads, Body 2.90x2.80mm, Pitch 0.95mm, IPC Medium Density"
  rect 1x0.6 smd: 1(-1.375,0.95) 2(-1.375,0) 3(-1.375,-0.95) 4(1.375,-0.95) 5(1.375,0) 6(1.375,0.95)
  silkscreen extent -1.5,-1.55 0.5,1.92, body extent -1.19,-1.45 1.19,1.45, height 1
"WURTH WE-HCI 7050" [mm]
  rect 2.7x2.2 smd: 1(-2.55,0) 2(2.55,0)
  silkscreen extent -3.6,-3.6 3.6,3.6, body extent -3.49,-3.45 3.49,3.45, height 5